# Allegro board FMDEMOD-Long.brd (continued)
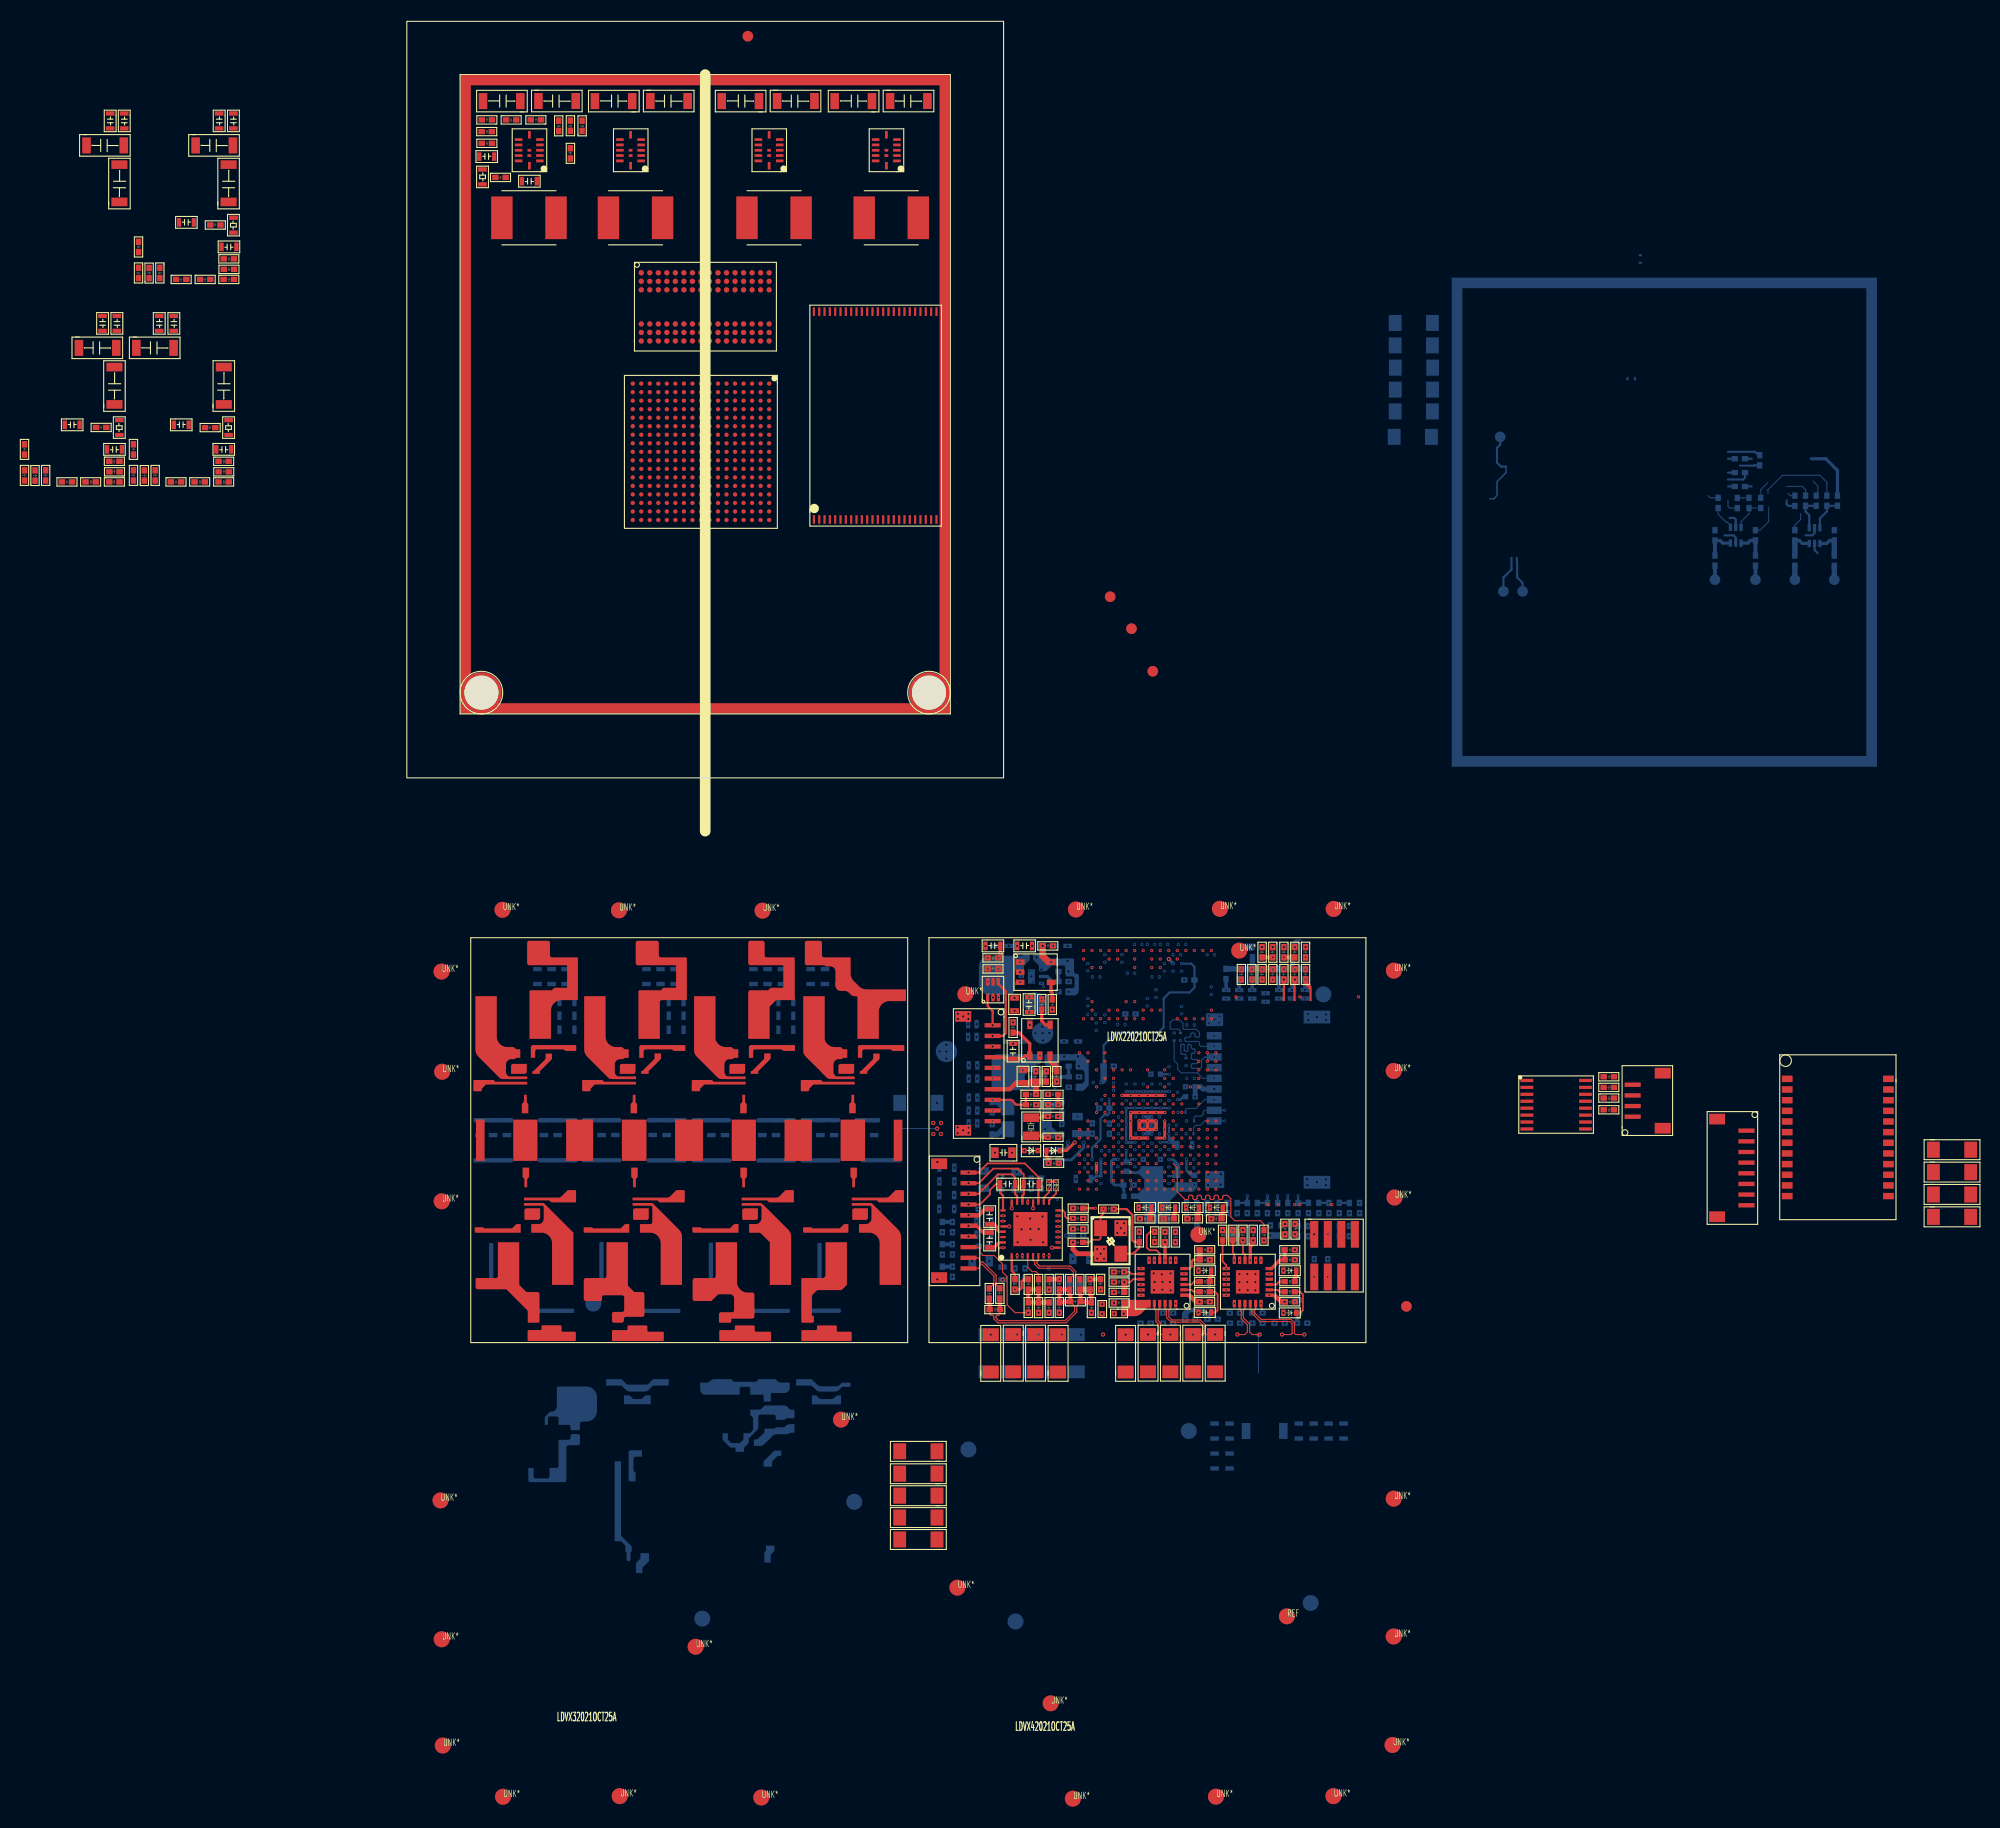
[diagram p0: board, top side]
## Routing (per net, layer and track width the routed paths; a pad name or vN(x,y) marks a point on that pad's centre or on a via; arc(x,y) is an arc through that point) (continued)
GNDA: length 2.9
  TOP w0.2: U15.9 v23(60.53,-44.09) ; U15.24 v23(56.77,-40.39) ; U15.20 v23(58.77,-40.39) ; U15.28 v23(56.52,-42.09)
  BOTTOM w0.36: R263.2 v30(61.88,-42.95)
  vias: v23(49.77,-36.04) v23(49.78,-47.07) v23(52.71,-43.04) v23(57.29,-41.15) v23(57.32,-43.57) v23(57.69,-42.36) v23(58.49,-41.36) v23(58.52,-42.34) v23(58.53,-43.35) v23(59.3,-42.35) v23(59.28,-50.2) v23(59.66,-41.17) v23(59.7,-43.58) v23(60.27,-48.02) v23(60.27,-50.19) v23(61.23,-50.19) v23(64.24,-50.2) v28(50.25,-46.83) v30(49.98,-36.59) v30(49.98,-37.87) v30(49.97,-39.16) v30(49.97,-40.45) v30(50.25,-42.63) v30(50.25,-44.73) v30(51.19,-42.63) v30(51.19,-44.73) v30(53.05,-45.36) v30(53.45,-41.6) v30(53.45,-42.87) v30(53.67,-40.48) v30(53.67,-43.98) v30(57.07,-47) v30(57.22,-36.99) v30(58.02,-47) v30(58.59,-37.61) v30(59.56,-37.6)
VDD_ARM_CAP: length 4.6
  TOP w0.26: v10(70.32,-33.8) v10(71.12,-33.8) v10(71.12,-33) v10(71.12,-32.2)
  PWR-L6 w0.26: v11(71.52,-33.4) 71.12,-33 v10(71.12,-33) ; v10(71.12,-33.8) v11(71.51,-34.19) ; v11(71.52,-32.6) 71.12,-32.2 v10(71.12,-32.2) ; v10(70.32,-33.8) 70.33,-33.8 v11(70.72,-34.19)
VDD_COIN_3V: length 5.1
  TOP w0.3: D2.2 60.03,-35.49 60.22,-35.68 v13(60.22,-36.16)
  PWR-L6 w0.3: v13(56.78,-35.18) 57.77,-36.16 v13(60.22,-36.16)
VDD_HIGH_CAP: length 9
  TOP w0.3: v10(64.72,-37) v10(64.72,-36.2)
  PWR-L6 w0.2: v10(64.72,-37) 64.32,-36.6 v11(64.3,-36.6) ; v10(64.72,-36.2) 64.32,-35.8 v11(64.3,-35.8) ; v10(66.32,-29.8) 65.93,-30.19 v11(65.91,-30.19)
  BOTTOM w0.2: v11(65.91,-30.19) 65.91,-30.52 65.92,-30.54 C317.1 65.92,-31.48 65.74,-31.66 65.4,-31.66 65.1,-31.97 65.1,-33.91 64.3,-34.71 v11(64.3,-35.8)
VDD_HIGH_IN: length 5.5
  PWR-L6 w0.2: v10(66.32,-35.4) 66.72,-35.8 v11(66.72,-35.8)
  BOTTOM w0.26: L32.2 67.3,-38.71 67.24,-38.65 C405.1 66.41,-38.21 66.12,-37.92 66.12,-35.99 66.31,-35.8 v11(66.72,-35.8)
VDD_SNVS_3V3: length 24
  SIGNAL-L4 w0.26: v13(60.45,-17.3) 60.45,-17.75 58.36,-19.84 56.81,-19.84 56.05,-20.61 56.05,-31.26 57.95,-33.17 v16(57.95,-34.98)
  PWR-L6 w0.5: v13(60.45,-17.3) 59.67,-16.51 v13(59.67,-15.77) v13(58.67,-15.77)
VDD_SNVS_IN: length 9.6
  TOP w0.26: v13(62.67,-34.22) 61.9,-34.98 v10(61.28,-34.98)
  PWR-L6 w0.1: v11(65.91,-35) 65.91,-34.99 v10(65.52,-34.6)
  PWR-L6 w0.2: 65.83,-35 65.83,-34.94 65.52,-34.63 v10(65.52,-34.6)
  PWR-L6 w0.26: v13(62.67,-34.22) 62.93,-34.22 63.07,-34.35 63.07,-34.42 63.33,-34.69 63.71,-34.69 63.76,-34.64 63.98,-34.64 64.38,-35.03 65.09,-35.03 v10(65.52,-34.6)
  PWR-L6 w0.3: v10(61.18,-36.16) 61.18,-35.41 61.28,-35.31 v10(61.28,-34.98) 60.95,-34.98 60.95,-34.98 v10(59.2,-34.98)
VDD_SOC_CAP: length 17.1
  TOP w0.3: v10(69.52,-33.8) v10(68.72,-33.8) v10(67.92,-33.8) v10(67.92,-32.2) v10(67.92,-31.4) v10(68.72,-31.4) v10(69.52,-31.4) v10(70.32,-31.4) v10(71.12,-31.4)
  PWR-L6 w0.2: v10(70.32,-31.4) 70.32,-31.33 69.92,-30.93 ; 69.92,-30.93 70.6,-30.93 70.87,-31.2 71.32,-31.2 ; 69.92,-30.93 69.14,-30.93 69.08,-30.99 68.13,-30.99 68.12,-30.98 67.53,-30.98 67.53,-31.03 67.67,-31.17 67.67,-31.63 67.53,-31.77 67.53,-31.81 67.91,-32.2 ; 69.92,-30.93 69.52,-31.33 v10(69.52,-31.4)
  PWR-L6 w0.22: v10(69.52,-33.8) v10(68.72,-33.8)
  PWR-L6 w0.3: v10(71.12,-31.4) 71.12,-31.4 71.32,-31.2 ; 68.51,-30.99 68.51,-31.19 v10(68.72,-31.4) ; 67.91,-32.2 v10(67.92,-32.2) ; v10(68.72,-33.8) 68.52,-34 68.47,-34 68.37,-34.1 68.27,-34.1 68.17,-34 68.12,-34 v10(67.92,-33.8) ; v10(67.92,-31.4) 67.92,-31.38 67.53,-30.98
  vias: v11(67.52,-30.98) v11(67.5,-31.83) v11(67.5,-32.59) v11(67.5,-34.2) v11(68.32,-30.98) v11(68.32,-34.19) v11(69.12,-30.98) v11(69.92,-30.98) v11(70.72,-30.98) v11(71.52,-30.98)
VDD_SOC_IN: length 7.9
  TOP w0.3: v10(69.52,-33) v10(68.72,-33) v10(68.72,-32.2) v10(69.52,-32.2) ; v10(69.52,-33) v10(70.32,-33) v10(70.32,-32.2) v10(69.52,-32.2) ; v10(69.52,-33) v10(69.52,-32.2)
  PWR-L6 w0.26: v11(69.1,-33.4) 69.12,-33.4 v10(69.52,-33) 69.92,-33.4 v11(69.92,-33.4) ; v10(68.72,-32.2) 68.72,-32.18 v11(69.1,-31.8) ; v11(69.92,-31.8) 69.92,-31.8 v10(70.32,-32.2)
  vias: v11(60.62,-27.45) v11(70.01,-32.6) v12(60.16,-26.27) v12(61.68,-26.13) v12(62.98,-26.13) v12(63.07,-27.06)
VDDA_ADC_3P3: length 3.1
  PWR-L6 w0.2: v10(67.12,-35.4) 67.52,-35.8 67.52,-35.8 ; v10(67.92,-35.4) 68.31,-35.8 v11(68.32,-35.8)
  BOTTOM w0.2: v11(68.32,-35.8) 67.98,-35.8 67.75,-36.03 67.5,-36.03 67.5,-35.33 67.5,-35.32 v11(67.5,-35)
232_TXD: length 1.8
  BOTTOM w0.1: 132.25,26.29 R345.1 132.25,26.55 132.4,26.7 132.4,27.4 131.95,27.85
ARM_ONOFF: length 24.6
  SIGNAL-L3 w0.1: v6(65.34,-52.24) 64.62,-51.52 64.62,-50.04 64.6,-50.02 64.6,-46.81 63.47,-45.68 v6(63.47,-42.33) 62.98,-41.84 62.19,-41.84 61.95,-41.59 61.95,-39.95 62.58,-39.33 62.58,-35.16 62.76,-34.97 63.38,-34.97 63.54,-34.8 63.54,-32.7 63.69,-32.55 64.28,-32.55 64.44,-32.39 64.44,-31.68 v3(64.72,-31.4)
AUD_INT: length 12.3
  SIGNAL-L4 w0.1: v7(61.11,-41.09) 61.11,-40.54 61.67,-39.97 61.67,-35.63 62.18,-35.12 62.8,-35.12 62.94,-34.97 63.3,-34.97 63.44,-35.12 63.6,-35.12 63.74,-34.97 64.16,-34.97 64.3,-34.83 64.3,-32.78 64.43,-32.65 65.07,-32.65 v7(65.52,-32.2)
BOOT_MODE0: length 6.6
  SIGNAL-L7 w0.1: v18(59.91,-30.91) 60.45,-30.91 60.69,-31.15 61.74,-31.15 61.96,-31.36 62.28,-31.36 v8(63.92,-33)
  BOTTOM w0.5: v18(59.91,-30.91) 60.49,-30.91 60.96,-30.44 R226.2
BOOT_MODE1: length 7.8
  SIGNAL-L7 w0.1: v8(63.12,-33) 61.64,-31.52 60.62,-31.52 60.42,-31.32 59.78,-31.32 59.35,-31.75 59.35,-32.42 v18(59.91,-32.97)
  BOTTOM w0.5: v18(59.91,-32.97) 60.4,-32.97 60.88,-33.45 R232.2
CK0N: length 30
  SIGNAL-L7 w0.1: v8(70.7,-17.8) 70.42,-18.08 70.42,-18.44 70.62,-18.64 v9(70.62,-18.69) 70.37,-18.94 70.37,-20.02 69.98,-20.41 69.98,-21.13 70.21,-21.36 70.21,-21.74 69.76,-22.19 69.19,-22.19 68.74,-21.74 68.74,-21.06 69.18,-20.61 69.18,-18.88 69.02,-18.72 68.88,-18.72 68.78,-18.82 68.78,-20.37 68.59,-20.56 68.12,-20.56 67.91,-20.36 67.91,-18.9 67.81,-18.8 67.6,-18.8 67.55,-18.85 67.55,-20.12 67.32,-20.34 66.81,-20.34 66.17,-19.69 66.17,-19.04 65.95,-18.82 65.81,-18.82 65.33,-19.3 65.33,-20.1 65.54,-20.31 66.11,-20.31 66.96,-21.15 66.96,-22.99 66.63,-23.31 66.43,-23.31 66.22,-23.52 65.84,-23.52 65.69,-23.67 65.69,-24.04 65.37,-24.36 64.93,-24.36 64.83,-24.46 64.83,-24.66 64.93,-24.76 65.68,-24.76 65.9,-24.98 65.9,-25.9 65.77,-26.03 65.76,-26.03 65.52,-26.27 v8(65.52,-26.6)
CK0P: length 29
  SIGNAL-L7 w0.1: v8(65.52,-25.8) 65.52,-25.64 65.69,-25.47 65.69,-25.07 65.59,-24.97 64.85,-24.97 64.62,-24.75 64.62,-24.37 64.85,-24.15 65.28,-24.15 65.48,-23.95 65.48,-23.58 65.75,-23.31 66.13,-23.31 66.27,-23.17 66.34,-23.1 66.51,-23.1 66.75,-22.86 66.75,-21.24 66.03,-20.52 65.45,-20.52 65.12,-20.18 65.12,-19.22 65.72,-18.61 66.04,-18.61 66.38,-18.95 66.38,-19.61 66.9,-20.13 67.24,-20.13 67.34,-20.03 67.34,-18.77 67.51,-18.59 67.89,-18.59 68.12,-18.82 68.12,-20.22 68.22,-20.33 68.48,-20.33 68.57,-20.24 68.57,-18.73 68.79,-18.51 69.11,-18.51 69.39,-18.79 69.39,-20.7 68.95,-21.14 68.95,-21.65 69.27,-21.98 69.67,-21.98 70,-21.65 70,-21.44 69.77,-21.21 69.77,-20.33 70.16,-19.94 70.16,-19.25 69.92,-19.01 v9(69.92,-18.69) 70.18,-18.43 70.18,-18.08 v8(69.9,-17.8)
CKE0: length 15.3
  SIGNAL-L8 w0.1: v1(70.7,-15.63) 70.7,-15.63 v5(70.7,-16.2) 70.7,-16.54 69.65,-17.59 69.24,-17.59 68.84,-17.99 68.84,-19.26 66.93,-21.17 66.93,-23 65.64,-24.29 65.64,-26.96 66.09,-27.4 v5(67.12,-27.4)
CKE1: length 19.4
  SIGNAL-L8 w0.1: v1(70.19,-15.63) 70.19,-15.91 v5(69.9,-16.2) 69.9,-16.59 69.45,-17.05 68.45,-17.05 67.77,-17.73 67.77,-19.39 66.41,-20.75 66.41,-22.55 65.11,-23.84 65.11,-27.33 65.85,-28.07 68.15,-28.07 68.55,-27.67 69.25,-27.67 v5(69.52,-27.4)
CPU_RST_MCU: length 33.8
  SIGNAL-L4 w0.1: v17(61.05,-39.57) 61.05,-40.02 60.38,-40.69 60.38,-43.38 61.01,-44.02 61.01,-44.53 61.67,-45.18 63.77,-45.18 64.33,-45.74 66.61,-45.74 67.27,-46.41 67.27,-47.39 69.2,-49.31 72.1,-49.31 73.09,-50.31 73.09,-51.53 v15(73.83,-52.27)
  SIGNAL-L8 w0.1: v5(67.12,-37) 66.6,-36.48 64.94,-36.48 64.68,-36.22 61.38,-36.22 59.93,-37.66 59.93,-39.33 60.17,-39.57 v17(61.05,-39.57)
CPU_UART1_RXD: length 37.5
  SIGNAL-L8 w0.1: v5(54.51,-19.13) 54.51,-24.3 54.08,-24.72 54.08,-25.58 54.33,-25.83 54.33,-37.28 54.88,-37.84 54.88,-39.11 55.31,-39.54 56.9,-39.54 58.23,-40.87 59.09,-40.87 59.34,-40.62 60.76,-40.62 61.3,-41.16 63.45,-41.16 64.02,-40.59 64.02,-39.27 65.26,-38.03 68.49,-38.03 v5(68.72,-37.8)
CPU_UART1_TXD: length 27.8
  SIGNAL-L8 w0.1: v5(55.51,-20.61) 56.38,-20.61 57.03,-21.26 61.14,-21.26 61.95,-22.06 61.95,-24.6 62.34,-25 62.34,-27.65 62.87,-28.19 62.87,-29.52 62.47,-29.92 62.47,-31.69 63.14,-32.37 66.09,-32.37 67.06,-33.33 68.24,-33.33 69.52,-34.61 69.52,-36.02 69.34,-36.2 v5(68.72,-36.2)
CPU_UART3_RXD: length 23
  SIGNAL-L8 w0.1: v21(61.45,-52.26) 61.98,-51.72 66.64,-51.72 67.72,-50.64 67.72,-45.61 69.33,-44 70.39,-44 72.09,-42.3 72.09,-39.57 v5(70.32,-37.8)
CPU_UART3_TXD: length 22.3
  SIGNAL-L8 w0.1: v5(70.32,-38.6) 71.53,-39.81 71.53,-41.94 70.08,-43.39 69.05,-43.39 67.36,-45.08 67.36,-50.24 66.16,-51.44 61.21,-51.44 v2(60.39,-52.27)
CPU_UART4_RXD: length 26.6
  SIGNAL-L7 w0.1: v18(63.26,-52.26) 64.28,-51.23 66.06,-51.23 67.5,-49.78 67.5,-39.75 66.87,-39.12 66.87,-38.45 66.6,-38.18 66.6,-36.68 68.69,-34.59 69.31,-34.59 69.53,-34.8 69.53,-35.49 69.91,-35.87 69.91,-36.35 70.25,-36.69 70.72,-36.69 71.12,-37.09 v8(71.12,-37.8)
CPU_UART4_TXD: length 35.9
  SIGNAL-L7 w0.1: v8(71.12,-38.6) 71.85,-37.87 71.85,-35.1 71.13,-34.38 71.13,-33.86 70.28,-33.02 68.8,-33.02 68.52,-33.3 66.73,-33.3 64.73,-35.3 64.73,-37 64.3,-37.43 63.66,-37.43 63.17,-37.93 63.17,-45.99 62.18,-46.98 59.7,-46.98 54.8,-51.88 v18(54.8,-52.26)
DCDC_3V3: length 69.3
  SIGNAL-L4 w0.26: v10(60.93,-37.88) v10(60.28,-37.88) 59.05,-36.65 54.62,-36.65 53.74,-35.78 53.74,-25.28 54.61,-24.41 54.61,-20.47 55.81,-19.28 55.81,-18.25 v13(55.49,-17.93)
  PWR-L6 w0.26: v13(60.16,-29.7) 60.64,-30.19 60.64,-32.25 ; v12(61.46,-32.49) 60.88,-32.49 60.64,-32.25 ; 60.64,-32.25 60.64,-32.28 58.79,-34.13 58.79,-35.33 59.05,-35.59 60.31,-35.59 60.74,-36.02 60.74,-37.42 v10(60.28,-37.88) ; v11(69.82,-27.8) 70.11,-27.51 70.11,-26.76 70.51,-26.36 73.35,-26.36 75.6,-28.61 75.69,-28.61 75.77,-28.69 v12(75.77,-29.2)
  PWR-L6 w0.3: v10(55.01,-19.13) 55.01,-18.41 v13(55.49,-17.93)
  PWR-L6 w0.38: v13(65.25,-49.4) 64.76,-49.4 64.6,-49.23
  SIGNAL-L8 w0.26: v2(73.97,-29.92) 73.33,-29.92 73,-29.58 72.15,-29.58 71.49,-30.24 70.62,-30.24 69.82,-29.44 v11(69.82,-27.8)
  BOTTOM w0.45: v12(75.77,-29.2) 74.7,-29.2 74.48,-28.98 L24.1 v2(73.97,-29.92)
  BOTTOM w0.5: R208.1 R209.1 R210.1 ; R208.1 C248.1 ; R208.1 R207.1 R206.1 ; R226.1 v12(61.46,-32.49) ; R206.1 R205.1 ; R206.1 v12(83.06,-16.82)
  vias: v10(83.3,-40.05) v11(72.32,-38.2) v11(73.92,-38.2) v12(62.5,-45.14) v12(69.69,-40.8) v12(70.06,-40.26) v12(70.06,-41.37) v12(70.38,-40.81) v12(71.05,-40.81) v12(77.91,-40.86) v12(80.76,-40.86) v12(81.03,-42.95) v12(86.54,-43.02) v13(62.51,-42.33) v13(68.79,-41.38) v13(71.02,-41.38) v13(73.25,-41.38) v13(75.49,-41.38) v13(81.26,-15.89) v13(82.3,-15.89) v13(82.3,-18.93) v13(82.4,-41.88) v13(83.33,-18.93) v13(83.35,-41.87) v13(84.33,-18.93) v14(55.9,-47.11)
DCDC_5V: length 5.7
  TOP w0.3: C1.2 v13(55.7,-16.4) 55.7,-16.67 v13(55.48,-16.89)
  PWR-L6 w0.26: v13(58.47,-23.18) 58.47,-24.44 57.82,-25.09 v13(57.82,-27.42)
  vias: v12(50,-25.69) v12(50.63,-25.05) v12(50.64,-25.68) v12(50.63,-26.35) v12(51.28,-25.69) v12(54.13,-38.51) v12(55.68,-37.42) v13(56.89,-22.95) v13(57.03,-20.66) v13(57.55,-17.29) v13(57.55,-19.19) v13(58.4,-21.97) v13(59.58,-20.78)
DRAM_1V35: length 55.8
  TOP w0.3: v10(71.12,-29.8) v10(70.32,-29.8) v10(69.52,-29.8) v10(68.72,-29.8) v10(67.92,-29.8) v10(67.12,-29.8)
  PWR-L6 w0.2: 72.71,-19.23 74.41,-19.23 75.1,-18.53 v11(75.1,-16.6) ; 67.6,-20.07 68.31,-19.36 v11(68.31,-18.34) ; v10(70.7,-21.8) 70.3,-21.4 v11(70.3,-20.6)
  PWR-L6 w0.22: 68.72,-17.38 68.75,-17.41 69.29,-17.41 69.51,-17.64 69.51,-17.96 69.74,-18.19 70.06,-18.19 70.29,-17.96 70.29,-17.64 70.51,-17.41 71.06,-17.41 ; 68.72,-17.38 v10(68.3,-17.8) ; 68.72,-17.38 68.72,-17.38 68.86,-17.23 68.86,-16.77 68.72,-16.62 68.72,-16.58 v10(69.1,-16.2) ; 66.6,-20.07 66.3,-19.77 66.3,-16.84 66.06,-16.6 v11(65.5,-16.6) ; v11(73.89,-23.19) 73.86,-23.16 73.67,-23.16 73.34,-22.83 73.34,-22.37 73.51,-22.2 73.51,-20.02 72.71,-19.23 ; 68.48,-20.07 68.76,-20.35 68.76,-20.97 68.92,-21.13 69.22,-21.13 v11(69.5,-21.41) ; v11(73.1,-15.63) 74.13,-15.63 v10(74.7,-16.2) ; 66.46,-16.84 66.46,-16.77 66.41,-16.72 66.53,-16.6 v11(67.1,-16.6) ; v11(72.7,-22.15) 72.66,-22.19 72.12,-22.19 71.9,-21.96 71.9,-19.78 71.34,-19.23
  PWR-L6 w0.25: 69.17,-20.07 69.77,-20.07 v11(70.3,-20.6)
  PWR-L6 w0.26: v10(71.12,-29.8) 71.15,-29.8 v11(71.52,-29.43) ; v10(69.52,-29.8) 69.55,-29.8 C305.1 ; v10(68.72,-29.8) 69.09,-29.43 v11(69.12,-29.43) ; v11(70.72,-29.43) 70.36,-29.8 v10(70.32,-29.8) ; v10(67.92,-29.8) 68.29,-29.43 v11(68.32,-29.43) ; v10(67.12,-29.8) 67.49,-29.43 v11(67.52,-29.43)
  PWR-L6 w0.3: v10(69.1,-16.2) 69.1,-15.97 68.98,-15.85 v11(68.98,-15.63) ; 63.06,-17.44 63.06,-17.44 v10(63.5,-17) ; v11(67.1,-16.6) v10(66.7,-16.2) ; v10(73.1,-22.6) 72.7,-22.2 v11(72.7,-22.15) ; v10(64.3,-21.8) 64.3,-21.8 v11(63.9,-21.4) ; v11(69.5,-21.41) 69.11,-21.8 v10(69.1,-21.8) ; v10(67.5,-22.6) 67.5,-22.81 67.4,-22.91 v11(67.4,-23.15) ; v10(73.1,-16.2) 73.1,-15.63 v11(73.1,-15.63) ; v11(75.1,-16.6) v10(74.7,-16.2) ; v11(71.08,-17.44) 70.7,-17.05 v10(70.7,-17) ; v11(63.9,-22.2) 63.9,-22.2 v10(63.5,-22.6) ; v11(73.89,-23.19) 74.11,-23.19 v10(74.7,-22.6) ; 72.71,-19.23 70.01,-19.23 69.17,-20.07 66.6,-20.07 ; v11(64.7,-23) v10(65.1,-22.6) ; v10(65.9,-16.2) 65.9,-16.2 v11(65.5,-16.6) ; v10(68.3,-17.8) 68.31,-17.81 v11(68.31,-18.34)
  SIGNAL-L8 w0.3: v5(65.9,-21.8) 65.5,-22.2 v1(65.5,-22.25)
  vias: v10(65.1,-16.2) v11(63.9,-17.41) v11(69.48,-24.62) v11(70.1,-24.63) v12(59.09,-16.85) v12(59.56,-17.99) v12(62,-17.17) v12(62.1,-18.16) v12(62.11,-20.08)
DRAM_VREF: length 20.2
  PWR-L6 w0.22: v11(68.87,-23.93) 68.87,-23.33 69.1,-23.11 v10(69.1,-22.6)
  PWR-L6 w0.3: v11(65.12,-28.59) 65.13,-28.59 v10(65.52,-28.2) ; v10(72.3,-17) 72.3,-17.03 v11(72.7,-17.44)
  BOTTOM w0.2: C257.1 73.61,-17.44 73.92,-17.74 73.92,-19.67 73.45,-20.14 71.59,-20.14 71.02,-20.71 71.02,-23.41 70.5,-23.93 C293.2 70.09,-23.92 R215.1 68.88,-23.92 v11(68.87,-23.93) 68.86,-23.92 C294.1 66.55,-23.92 65.38,-25.08 65.38,-27.06
ECSPI3_CS0: length 21.9
  SIGNAL-L8 w0.1: v2(58.3,-52.25) 59.44,-51.11 65.62,-51.11 66.93,-49.81 66.93,-42.79 69.52,-40.2 v5(69.52,-38.6)
ECSPI3_MISO: length 31.3
  SIGNAL-L7 w0.1: v19(59.27,-52.24) 60.7,-50.8 65.84,-50.8 67.02,-49.61 67.02,-40 65.72,-38.71 65.72,-36.04 66.38,-35.39 66.38,-34.28 66.97,-33.68 68.56,-33.68 68.91,-34.03 69.82,-34.03 70.46,-34.68 70.46,-35.16 70.32,-35.3 v8(70.32,-36.2)
ECSPI3_MOSI: length 31.5
  SIGNAL-L8 w0.1: v21(57.24,-52.23) 57.74,-52.73 63.87,-52.73 64.37,-52.23 66.89,-52.23 68.25,-50.88 68.25,-45.73 69.31,-44.67 70.56,-44.67 72.55,-42.68 72.55,-39.02 72.82,-38.75 72.82,-37.54 72.28,-37 v5(69.52,-37)
ECSPI3_SCLK: length 24.4
  SIGNAL-L8 w0.1: v2(56.21,-52.24) 56.21,-51.83 57.32,-50.71 64.88,-50.71 65.63,-49.96 65.63,-47.83 66.2,-47.26 66.2,-42.37 69.05,-39.53 69.05,-38.27 v5(69.52,-37.8)
ENET1_CRS_DV: length 19
  SIGNAL-L4 w0.1: v7(72.72,-37.8) 72.29,-38.23 72.29,-39.09 72.45,-39.25 72.45,-39.39 72.23,-39.61 72.23,-39.75 72.37,-39.89 72.51,-39.89 72.74,-39.67 72.88,-39.67 73,-39.8 73.51,-39.8 73.99,-40.27 74.13,-40.27 74.81,-39.59 74.95,-39.59 75.09,-39.73 75.09,-39.87 74.58,-40.39 74.58,-40.53 74.68,-40.63 74.68,-41.08 74.33,-41.43 74.33,-41.63 74.43,-41.73 75,-41.73 75.1,-41.83 75.1,-42.04 74.88,-42.26 74.88,-42.4 75.02,-42.54 75.16,-42.54 75.38,-42.32 75.53,-42.32 75.67,-42.46 75.67,-42.6 75.45,-42.82 75.45,-42.96 75.59,-43.11 75.73,-43.11 75.95,-42.88 76.09,-42.88 76.23,-43.03 76.23,-43.17 76.01,-43.39 76.01,-43.53 76.15,-43.67 76.3,-43.67 76.46,-43.51 76.6,-43.51 76.74,-43.65 76.74,-43.79 76.58,-43.95 76.58,-44.1 76.72,-44.24 76.86,-44.24 77,-44.09 77.15,-44.09 77.29,-44.24 77.29,-44.38 77.14,-44.52 77.14,-44.66 77.21,-44.73 77.21,-45.76 77.46,-46.01 78.36,-46.01 78.47,-45.9 78.47,-45.59 v7(78.15,-45.27)
ENET1_LED1: length 1.6
  TOP w0.16: U17.3 81.6,-47.55 81.88,-47.27 R99.1
ENET1_LED2: length 1.5
  TOP w0.16: U17.2 81.71,-48.05 81.88,-48.22 R108.1
ENET1_NINT: length 34.4
  SIGNAL-L3 w0.1: v4(75.35,-45.23) 75.83,-45.23 76.21,-45.62 76.21,-46.35 76.41,-46.55 v7(76.89,-46.55)
  SIGNAL-L4 w0.1: v7(76.89,-46.55) 77.3,-46.55 77.85,-47.1 77.85,-48.35 78.05,-48.55 78.05,-49.48 77.68,-49.85 76.18,-49.85 75.97,-49.64 73.72,-49.64 70.64,-46.56 68.66,-46.56 68.27,-46.17 68.27,-44.08 67.21,-43.02 67.21,-39.44 67.5,-39.14 67.5,-34.34 67.23,-34.07 66.23,-34.07 65.9,-33.74 65.9,-32.55 66.32,-32.13 v7(66.32,-31.4)
ENET1_NRST: length 28
  SIGNAL-L4 w0.1: v7(66.32,-33) 67.53,-33 67.95,-33.42 68.89,-33.42 69.12,-33.65 69.12,-41.19 69.16,-41.22 69.16,-41.33 70.56,-42.72 70.56,-43.18 70.65,-43.27 70.65,-45.71 72.99,-48.05 74.57,-48.05 v15(75.35,-47.27) 75.35,-48.07 76.2,-48.92 77.15,-48.92 77.4,-48.66 77.4,-47.23 77.22,-47.05 v7(76.89,-47.05)
  BOTTOM w0.3: v15(75.35,-47.27) 75.35,-47.7 75.35,-47.7 R270.1
ENET1_RXD0: length 18.9
  SIGNAL-L4 w0.1: v7(79.65,-45.27) 79.65,-45.81 79.88,-46.04 80.92,-46.04 81.17,-45.8 81.17,-44.26 80.97,-44.06 78.34,-44.06 77.75,-43.47 77.75,-43.2 78.03,-42.92 78.03,-42.78 77.91,-42.66 77.91,-42.21 78.03,-42.09 78.03,-39.5 75.91,-37.39 72.33,-37.39 v7(71.92,-37.8)
ENET1_RXD1: length 19
  SIGNAL-L4 w0.1: v7(72.72,-38.6) 73.27,-39.14 74.7,-39.14 74.8,-39.05 74.8,-38.37 74.9,-38.27 75.1,-38.27 75.2,-38.37 75.2,-39.05 75.3,-39.14 75.5,-39.14 75.6,-39.05 75.6,-38.38 75.7,-38.28 75.89,-38.28 75.99,-38.38 75.99,-38.94 76.09,-39.05 76.56,-39.05 76.72,-39.21 76.72,-39.35 76.07,-39.99 76.07,-40.14 76.21,-40.28 76.36,-40.28 77,-39.63 77.14,-39.63 77.52,-40 77.52,-41.08 77.2,-41.41 76.74,-41.41 76.64,-41.51 76.64,-41.59 76.74,-41.69 77.14,-41.69 77.24,-41.79 77.24,-41.99 77.14,-42.09 77.12,-42.09 77,-42.21 77,-43.32 78.28,-44.59 79.8,-44.59 80.15,-44.94 v7(80.15,-45.27)
ENET1_RXER: length 21.7
  TOP w0.16: v16(78.46,-43.39) 78.46,-44.56 78.65,-44.74 U17.10
  SIGNAL-L4 w0.1: v7(73.52,-37) 73.81,-36.71 76.38,-36.71 77.79,-35.3 77.93,-35.3 78.07,-35.44 78.07,-35.58 76.7,-36.95 76.7,-37.09 76.84,-37.24 76.98,-37.24 78.36,-35.86 78.5,-35.86 78.64,-36 78.64,-36.15 77.27,-37.52 77.27,-37.66 77.43,-37.82 77.57,-37.82 77.75,-37.64 77.89,-37.64 78.03,-37.78 78.03,-37.92 77.85,-38.1 77.85,-38.25 78.46,-38.86 78.46,-41.26 79.05,-41.85 79.05,-42.81 v16(78.46,-43.39)
ENET1_RXN: length 8.2
  TOP w0.1: v6(82.13,-52.24) 82.97,-52.24 83.08,-52.14 83.08,-51.22 82.88,-51.02 80.08,-51.02 79.3,-50.24 79.3,-50.02 79.15,-49.87 U17.22
  SIGNAL-L3 w0.1: v6(82.13,-52.24) 82.13,-51.82 82.38,-51.56 v4(82.38,-51.17)
ENET1_RXP: length 8.2
  TOP w0.1: v6(84.23,-52.24) 83.4,-52.24 83.28,-52.12 83.28,-51.14 82.97,-50.82 80.17,-50.82 79.5,-50.16 79.5,-50.02 79.65,-49.87 U17.23
  SIGNAL-L3 w0.1: v6(84.23,-52.24) 84.23,-51.77 84.5,-51.5 v4(84.5,-51.17)
ENET1_TX_CLK: length 16.4
  TOP w0.1: 71.92,-36.2 72.3,-36.58 72.3,-38.84 73.03,-39.57 73.26,-39.57 73.36,-39.47 73.36,-39.28 73.46,-39.18 73.66,-39.18 73.76,-39.28 73.76,-39.47 73.86,-39.57 74.06,-39.57 74.16,-39.47 74.16,-39.28 74.26,-39.18 74.46,-39.18 74.56,-39.28 74.56,-39.47 74.66,-39.57 74.86,-39.57 74.96,-39.47 74.96,-39.28 75.06,-39.18 75.26,-39.18 75.36,-39.28 75.36,-39.47 75.46,-39.57 75.66,-39.57 75.76,-39.47 75.76,-39.28 75.86,-39.18 76.06,-39.18 76.16,-39.28 76.16,-39.47 76.26,-39.57 76.46,-39.57 76.56,-39.47 76.56,-39.28 76.66,-39.18 77,-39.18 77.32,-39.5 77.32,-41.19 77.69,-41.56 80.11,-41.56 80.43,-41.88 R94.2
ENET1_TXD0: length 21.5
  SIGNAL-L4 w0.1: v7(76.89,-48.05) 76.44,-48.05 76.08,-47.69 76.08,-46.51 75.52,-45.96 74.92,-45.96 74.51,-45.56 72.61,-45.56 72.51,-45.46 72.51,-45.27 72.61,-45.17 73.43,-45.17 73.53,-45.07 73.53,-44.9 73.43,-44.8 72.61,-44.8 72.51,-44.7 72.51,-44.48 72.61,-44.38 73.34,-44.38 73.48,-44.24 73.48,-44.1 73.38,-44 72.69,-44 72.51,-43.82 72.51,-43.07 72.01,-42.57 72.01,-41.42 71.5,-40.91 71.5,-40.22 70.73,-39.44 70.73,-37.32 70.62,-37.21 70.62,-36.79 70.91,-36.5 71.33,-36.5 71.43,-36.61 72.33,-36.61 v7(72.72,-37)
ENET1_TXD1: length 20.5
  SIGNAL-L4 w0.1: v7(72.72,-36.2) 72.31,-35.79 70.12,-35.79 69.89,-36.02 69.89,-41.14 72.01,-43.26 72.01,-45.87 72.83,-46.69 75.56,-46.69 75.78,-46.92 75.78,-48.01 76.32,-48.55 v7(76.89,-48.55)
ENET1_TXEN: length 18.8
  SIGNAL-L4 w0.1: v7(71.92,-37) 71.51,-37.41 71.51,-39.54 72.06,-40.08 72.06,-40.67 72.66,-41.27 72.66,-42.22 73.13,-42.7 73.13,-43.22 73.63,-43.72 74.28,-43.72 74.75,-43.26 75.05,-43.26 75.2,-43.4 75.2,-43.55 74.48,-44.26 74.48,-44.54 74.58,-44.65 75,-44.65 75.36,-44.29 76.18,-44.29 76.28,-44.39 76.28,-44.49 76.18,-44.59 76.08,-44.59 75.98,-44.69 75.98,-44.79 76.08,-44.89 76.75,-44.89 76.84,-44.99 76.84,-45.36 76.75,-45.46 76.38,-45.46 76.2,-45.28 75.98,-45.28 75.89,-45.38 75.89,-45.55 76.46,-46.12 76.46,-47.45 76.56,-47.55 v7(76.89,-47.55)
ENET1_TXN: length 5.2
  TOP w0.1: U17.20 78.15,-49.87 78.3,-50.02 78.3,-50.76 78.88,-51.34 78.88,-51.99 78.63,-52.24 v6(77.93,-52.24)
  SIGNAL-L3 w0.1: v6(77.93,-52.24) 77.93,-51.83 78.19,-51.56 v4(78.19,-51.17)
ENET1_TXP: length 5.2
  TOP w0.1: v6(80.03,-52.24) 79.33,-52.24 79.08,-51.99 79.08,-51.26 78.5,-50.68 78.5,-50.02 78.65,-49.87 U17.21
  SIGNAL-L3 w0.1: v6(80.03,-52.24) 80.03,-51.86 80.3,-51.6 v4(80.3,-51.17)
ENET2_CRS_DV: length 25
  SIGNAL-L3 w0.1: v3(75.12,-38.6) 74.73,-38.21 74.73,-37.43 74.27,-36.97 74.27,-36.64 73.94,-36.31 73.94,-35.96 73.75,-35.77 69.32,-35.77 69.09,-36 69.09,-38.87 68.31,-39.65 68.31,-42.95 68.32,-42.96 68.32,-43.72 69.23,-44.63 70.17,-44.63 70.51,-44.96 70.51,-47.66 70.41,-47.76 69.88,-47.76 69.7,-47.58 69.7,-46.17 70.15,-45.72 v3(70.15,-45.27)
ENET2_LED1: length 1.6
  TOP w0.16: R98.1 73.9,-47.27 73.62,-47.55 U16.3
ENET2_LED2: length 1.5
  TOP w0.16: R107.1 73.83,-48.22 73.65,-48.05 U16.2
ENET2_NINT: length 15.1
  TOP w0.16: v6(67.32,-46.37) 67.81,-46.37 67.99,-46.55 U16.14
  SIGNAL-L3 w0.1: v3(66.32,-33.8) 65.92,-34.2 65.92,-39.66 65.78,-39.8 65.78,-43.24 66.23,-43.69 66.23,-44.73 67.31,-45.82 67.31,-45.93 67.32,-45.93 v6(67.32,-46.37)
ENET2_NRST: length 18.9
  TOP w0.16: U16.15 68.36,-47.05 68.36,-47.05 68.16,-47.05 67.89,-47.32 v6(67.32,-47.32)
  TOP w0.5: C110.1 v6(67.32,-47.32)
  SIGNAL-L3 w0.1: v3(66.32,-32.2) 66.75,-32.63 66.75,-40.96 66.4,-41.31 66.4,-42.71 66.79,-43.1 66.79,-44.64 67.78,-45.63 67.78,-46.86 v6(67.32,-47.32)
ENET2_RXD0: length 22.7
  SIGNAL-L3 w0.1: v3(71.65,-45.27) 71.65,-44.87 71.75,-44.77 72.38,-44.77 72.48,-44.67 72.48,-44.47 72.38,-44.37 71.75,-44.37 71.65,-44.27 71.65,-43.35 71.91,-43.09 72.77,-43.09 73.27,-43.59 73.27,-44.42 73.37,-44.52 73.57,-44.52 73.67,-44.42 73.67,-43.63 73.77,-43.53 74,-43.53 74.1,-43.63 74.1,-44.16 74.2,-44.26 74.4,-44.26 74.5,-44.16 74.5,-43.63 74.6,-43.53 74.8,-43.53 74.9,-43.63 74.9,-44.16 75,-44.26 75.2,-44.26 75.3,-44.16 75.3,-43.63 75.4,-43.53 75.59,-43.53 75.69,-43.43 75.69,-42.96 75.59,-42.86 74.94,-42.86 74.84,-42.76 74.84,-42.52 74.94,-42.42 75.32,-42.42 75.58,-42.16 75.58,-41.96 75.48,-41.86 74.42,-41.86 74.32,-41.76 74.32,-41.44 74.68,-41.08 74.68,-40.63 74.33,-40.28 74.33,-39.91 74.43,-39.81 75.67,-39.81 75.77,-39.71 75.77,-39.57 75.64,-39.44 75.41,-39.44 75.31,-39.34 75.31,-39.12 75.21,-39.02 75.01,-39.02 74.91,-39.12 74.91,-39.34 74.81,-39.44 74.42,-39.44 74.32,-39.34 v7(74.32,-38.6)
ENET2_RXD1: length 24.4
  SIGNAL-L3 w0.1: v3(72.15,-45.27) 72.15,-45.6 72.46,-45.91 72.46,-46.64 71.91,-47.18 71.09,-47.18 70.9,-47 70.9,-46.33 71,-46.23 71.76,-46.23 71.86,-46.13 71.86,-45.93 71.76,-45.83 70.88,-45.83 70.78,-45.73 70.78,-44.43 70.47,-44.12 69.53,-44.12 69.03,-43.63 69.03,-41.88 69.56,-41.35 69.56,-40.93 69.46,-40.83 69.19,-40.83 69.09,-40.73 69.09,-40.53 69.19,-40.43 69.56,-40.43 69.66,-40.33 69.66,-40.03 69.56,-39.93 68.95,-39.93 68.85,-39.83 68.85,-39.63 68.95,-39.53 69.56,-39.53 69.66,-39.43 69.66,-39.05 69.87,-38.84 69.87,-36.69 69.97,-36.58 72.82,-36.58 73.14,-36.91 73.14,-37.2 73.35,-37.41 73.93,-37.41 v7(74.32,-37.8)
ENET2_RXER: length 22.7
  TOP w0.16: v3(70.18,-42.6) 69.75,-42.6 69.43,-42.92 69.43,-44.08 69.7,-44.34 70.34,-44.34 70.65,-44.64 U16.10
  SIGNAL-L3 w0.1: v3(70.18,-42.6) 70.43,-42.85 70.73,-42.85 70.95,-42.63 71.34,-42.63 71.44,-42.73 71.44,-43.05 71.31,-43.18 69.74,-43.18 69.64,-43.08 69.64,-41.91 69.74,-41.81 69.94,-41.81 70.04,-41.91 70.04,-42.13 70.17,-42.25 70.99,-42.25 71.15,-42.1 71.15,-41.96 70.95,-41.76 70.42,-41.76 70.12,-41.45 70.12,-41.04 70.22,-40.94 70.37,-40.94 70.47,-40.84 70.47,-40.64 70.37,-40.54 70.22,-40.54 70.12,-40.44 70.12,-40.24 70.22,-40.14 70.37,-40.14 70.47,-40.04 70.47,-39.84 70.37,-39.74 70.22,-39.74 70.12,-39.64 70.12,-39.44 70.22,-39.34 70.37,-39.34 70.47,-39.24 70.47,-39.02 70.71,-38.78 70.71,-37.32 70.61,-37.22 70.34,-37.22 70.24,-37.12 70.24,-36.98 70.34,-36.88 70.99,-36.88 71.53,-37.42 72.2,-37.42 72.3,-37.52 72.3,-38 72.5,-38.2 73.12,-38.2 v3(73.52,-37.8)
ENET2_RXN: length 8.4
  TOP w0.1: v6(73.75,-52.24) 74.6,-52.24 74.7,-52.14 74.7,-51.39 74.39,-51.08 71.71,-51.08 71.3,-50.67 71.3,-50.02 71.15,-49.87 U16.22